# KiCad board AMC_FMC_Carrier-PcbDoc.kicad_pcb (continued)
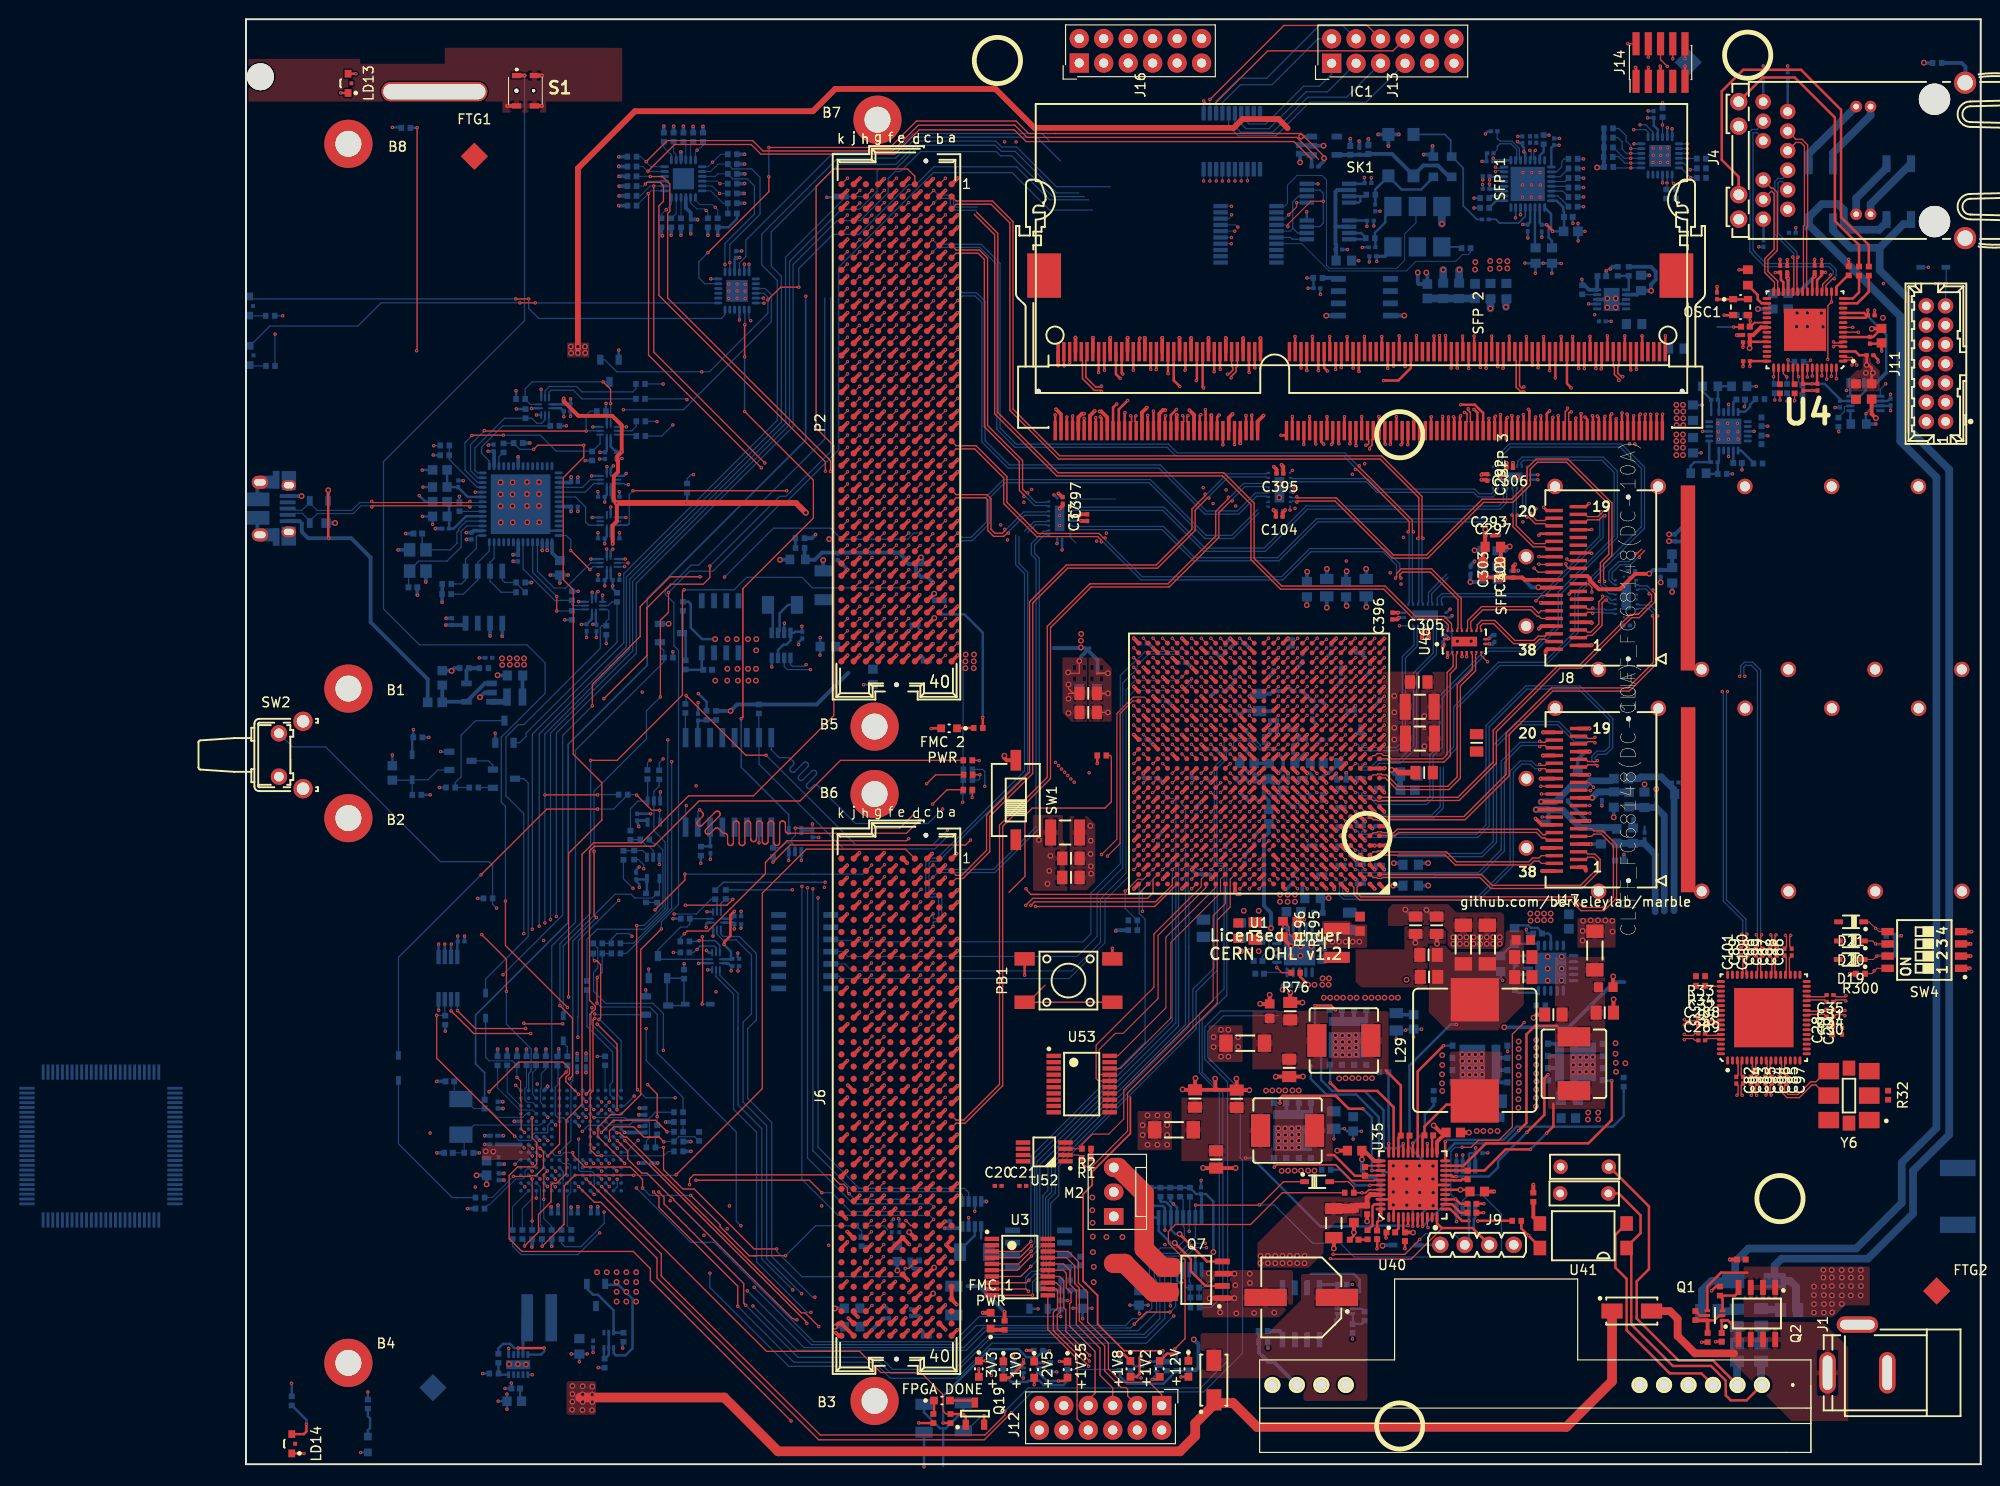
[diagram p0: board, top side]
## Routing (per net, layer and track width the routed paths; a pad name or vN(x,y) marks a point on that pad's centre or on a via; arc(x,y) is an arc through that point) (continued)
FMC2_HB12_P: length 0.9
  Top w0.112: P2.F31 v1(67.5,95.41)
FMC2_HB13_N: length 0.9
  Top w0.112: P2.E31 v1(68.77,95.41)
FMC2_HB13_P: length 0.9
  Top w0.112: P2.E30 v1(68.77,96.68)
FMC2_HB15_N: length 0.9
  Top w0.112: P2.J34 v1(63.69,91.6)
FMC2_HB15_P: length 0.9
  Top w0.112: P2.J33 v1(63.69,92.87)
FMC2_HB16_N: length 0.9
  Top w0.112: P2.F35 v1(67.5,90.33)
FMC2_HB16_P: length 0.9
  Top w0.112: P2.F34 v1(67.5,91.6)
FMC2_HB17_CC_N: length 0.9
  Top w0.112: P2.K38 v1(62.42,86.52)
FMC2_HB17_CC_P: length 0.9
  Top w0.112: P2.K37 v1(62.42,87.79)
FMC2_HB18_N: length 0.9
  Top w0.112: P2.J37 v1(63.69,87.79)
FMC2_HB18_P: length 0.9
  Top w0.112: P2.J36 v1(63.69,89.06)
FMC2_HB19_N: length 0.9
  Top w0.112: P2.E34 v1(68.77,91.6)
FMC2_HB19_P: length 0.9
  Top w0.112: P2.E33 v1(68.77,92.87)
FMC2_HB20_N: length 0.9
  Top w0.112: P2.F38 v1(67.5,86.52)
FMC2_HB20_P: length 0.9
  Top w0.112: P2.F37 v1(67.5,87.79)
FMC2_HB21_N: length 0.9
  Top w0.112: P2.E37 v1(68.77,87.79)
FMC2_HB21_P: length 0.9
  Top w0.112: P2.E36 v1(68.77,89.06)
FMC2_LA_0_N: length 56.9
  Top w0.11: U1.AA22 v1(96.12,80.73)
  Top w0.112: P2.G7 v1(66.23,125.89)
  In2.Cu w0.1: v1(96.12,80.73) 96.47,80.38 97.29,80.38 97.47,80.56 97.47,87.26 92.07,92.67 ; 92.07,109.77 93.21,110.91 93.21,113.71 92.05,114.87 92.05,119.11 84.78,126.38 66.72,126.38 v1(66.23,125.89)
FMC2_LA_0_P: length 58.1
  Top w0.11: U1.Y22 v1(96.12,79.73)
  Top w0.112: P2.G6 v1(66.23,127.16)
  In2.Cu w0.1: v1(96.12,79.73) 96.47,80.09 97.41,80.09 97.76,80.44 97.76,87.38 92.36,92.79 ; v1(66.23,127.16) 66.72,126.67 84.9,126.67 92.34,119.23 92.34,114.99 93.5,113.83 93.5,110.79 92.36,109.65
FMC2_LA_1_N: length 67.6
  Top w0.11: U1.AB24 v1(94.12,81.73)
  Top w0.112: P2.D9 v1(70.04,123.35)
  In2.Cu w0.1: v1(70.04,123.35) 70.53,123.84 84.97,123.84 90.46,118.35 90.46,115.51 89.57,114.62 89.57,110.53 89.02,109.98 89.02,109.29 90.87,107.44 90.87,92.43 96.47,86.82 96.47,81.55 96.29,81.37 94.48,81.37 v1(94.12,81.73)
FMC2_LA_1_P: length 68.1
  Top w0.11: U1.AA23 v1(95.12,80.73)
  Top w0.112: P2.D8 v1(70.04,124.62)
  In2.Cu w0.1: v1(95.12,80.73) 94.91,80.94 94.91,81.05 94.94,81.08 96.41,81.08 96.76,81.43 96.76,86.94 91.16,92.55 91.16,107.92 89.25,109.83 89.25,109.87 89.86,110.48 89.86,114.5 90.75,115.39 90.75,118.47 85.09,124.13 70.53,124.13 v1(70.04,124.62)
FMC2_LA_2_N: length 66.2
  Top w0.11: U1.AF22 v1(96.12,85.73)
  Top w0.112: v1(64.95,124.63) 64.32,124 P2.H8
  In2.Cu w0.1: v1(64.95,124.63) 64.95,124.88 64.72,125.11 64.68,125.11 64.43,124.86 64.43,124.23 64.58,124.07 69.22,124.07 69.52,123.77 69.52,123.14 69.78,122.88 82.92,122.88 87.07,118.72 87.07,110.33 87.69,109.71 87.69,108.61 90.07,106.22 90.07,96.85 90.26,96.66 90.26,95.63 90.07,95.44 90.07,92.28 95.76,86.58 95.76,85.56 95.95,85.38 96.07,85.38 96.12,85.42 v1(96.12,85.73)
FMC2_LA_2_P: length 66.9
  Top w0.11: U1.AE22 v1(96.12,84.73)
  Top w0.112: P2.H7 v1(64.96,125.89)
  In2.Cu w0.1: v1(64.96,125.89) 64.14,125.07 64.14,124.11 64.46,123.78 69.1,123.78 69.23,123.65 69.23,123.02 69.66,122.59 82.8,122.59 86.78,118.6 86.78,110.29 87.4,109.67 87.4,108.48 89.78,106.1 89.78,96.73 89.97,96.54 89.97,95.75 89.78,95.56 89.78,92.16 95.47,86.46 95.47,85.38 v1(96.12,84.73)
FMC2_LA_3_N: length 63.5
  Top w0.11: U1.AC24 v1(94.12,82.73)
  Top w0.112: P2.G10 v1(66.23,122.08)
  In2.Cu w0.1: v1(94.12,82.73) 94.42,82.73 94.47,82.78 94.47,82.88 94.27,83.09 90.52,83.09 87.9,85.71 87.9,90.81 87.26,91.44 87.26,93.91 86.76,94.41 86.76,96.55 87.55,97.33 87.55,103 84.97,105.58 84.97,107.75 84.43,108.28 84.43,109.34 84.73,109.64 84.73,112.31 82.92,114.12 82.92,116.19 79.13,119.97 70.99,119.97 70.51,120.45 70.51,121.04 70.2,121.35 68.23,121.35 67.95,121.64 67.95,122.29 67.67,122.57 66.72,122.57 v1(66.23,122.08)
FMC2_LA_3_P: length 64
  Top w0.11: U1.AC23 v1(95.12,82.73)
  Top w0.112: P2.G9 v1(66.23,123.35)
  In2.Cu w0.1: v1(95.12,82.73) 94.82,82.73 94.76,82.78 94.76,83 94.39,83.38 90.64,83.38 88.19,85.83 88.19,90.93 87.55,91.56 87.55,94.03 87.05,94.53 87.05,96.43 87.84,97.21 87.84,103.12 85.26,105.7 85.26,107.87 84.72,108.4 84.72,109.22 85.02,109.52 85.02,112.43 83.21,114.24 83.21,116.31 79.25,120.26 71.11,120.26 70.81,120.57 70.81,121.16 70.32,121.64 68.35,121.64 68.24,121.76 68.24,122.41 67.79,122.86 66.72,122.86 v1(66.23,123.35)
FMC2_LA_4_N: length 73
  Top w0.11: v1(97.12,78.73) 97.12,78.73 U1.W21
  Top w0.112: v1(64.95,120.78) 64.34,120.17 P2.H11
  In9.Cu w0.1: v1(97.12,78.73) 96.76,78.38 95.97,78.38 95.76,78.58 95.76,87.51 87.45,95.82 87.45,103.38 86.48,104.35 86.48,109.3 85.18,110.59 85.18,112.23 83.83,113.58 83.83,117.45 77.1,124.18 64.81,124.18 64.16,123.53 64.16,121.67 64.57,121.26 64.86,121.26 64.95,121.17 v1(64.95,120.78)
FMC2_LA_4_P: length 72
  Top w0.11: U1.V21 97.12,77.73 v1(97.12,77.73)
  Top w0.112: v1(64.95,122.03) 64.36,121.44 P2.H10
  In9.Cu w0.1: v1(64.95,122.03) 64.95,121.65 64.85,121.55 64.69,121.55 64.45,121.79 64.45,123.4 64.93,123.89 76.98,123.89 83.54,117.33 83.54,113.46 84.89,112.11 84.89,110.47 86.19,109.18 86.19,104.23 87.16,103.26 87.16,95.7 95.47,87.39 95.47,78.46 95.85,78.09 96.76,78.09 v1(97.12,77.73)
FMC2_LA_5_N: length 59.7
  Top w0.11: 92.61,82.24 92.6,82.24 v1(92.11,82.73)
  Top w0.112: v1(70.04,119.54) P2.D12 69.4,118.93
  In9.Cu w0.1: v1(70.04,119.54) 70.53,120.03 79.03,120.03 82.26,116.79 82.26,113.36 83.66,111.96 83.66,110.08 83.16,109.59 83.16,103.78 84.98,101.96 84.98,95.23 85.36,94.85 85.36,88.86 87.17,87.05 92.68,87.05 93.48,86.25 93.48,82.5 93.35,82.38 92.19,82.38 92.11,82.45 v1(92.11,82.73)
FMC2_LA_5_P: length 60.6
  Top w0.11: 92.61,81.23 v1(92.11,81.73)
  Top w0.112: P2.D11 v1(70.04,120.81)
  In9.Cu w0.1: v1(92.11,81.73) 92.11,82.01 92.19,82.09 93.47,82.09 93.77,82.38 93.77,86.37 92.8,87.34 87.29,87.34 85.65,88.98 85.65,94.97 85.27,95.35 85.27,102.08 83.45,103.9 83.45,109.47 83.95,109.96 83.95,112.08 82.55,113.48 82.55,116.91 79.15,120.32 70.53,120.32 v1(70.04,120.81)
FMC2_LA_6_N: length 56.1
  Top w0.11: U1.AD24 v1(94.12,83.73)
  Top w0.112: 70.7,120.15 v1(71.33,120.78)
  In2.Cu w0.1: v1(94.12,83.73) 94.47,84.09 94.47,86 88.48,91.99 88.48,94.4 87.64,95.24 87.64,96.27 88.48,97.12 88.48,105.24 86.21,107.51 86.21,109.09 85.37,109.93 85.37,112.71 85.85,113.19 85.85,115.72 84.05,117.52 84.05,118.72 81.5,121.27 71.82,121.27 v1(71.33,120.78)
FMC2_LA_6_P: length 56.6
  Top w0.11: U1.AD23 v1(95.12,83.73)
  Top w0.112: 70.7,121.42 v1(71.33,122.05)
  In2.Cu w0.1: v1(71.33,122.05) 71.82,121.56 81.62,121.56 84.34,118.84 84.34,117.64 86.14,115.84 86.14,113.07 85.66,112.59 85.66,110.05 86.5,109.21 86.5,107.63 88.77,105.36 88.77,96.97 88.75,96.97 87.93,96.15 87.93,95.36 88.77,94.52 88.77,92.11 94.76,86.12 94.76,84.09 v1(95.12,83.73)
FMC2_LA_7_N: length 57.9
  Top w0.11: U1.AC22 v1(96.12,82.73)
  Top w0.112: P2.H14 v1(64.96,117)
  In2.Cu w0.1: 74.32,116.22 67.14,116.22 66.7,116.65 66.7,117.17 66.41,117.46 65.43,117.46 v1(64.96,117) ; 79.89,114.06 81.77,114.06 84.05,111.78 84.05,110.65 83.22,109.81 83.22,105.34 86.23,102.32 86.23,98.74 86.06,98.56 86.06,98.22 86.23,98.04 86.23,91.76 85.52,91.05 85.52,84.78 86.08,84.22 88.56,84.22 90.41,82.38 95.76,82.38 v1(96.12,82.73)
FMC2_LA_7_P: length 57.9
  Top w0.11: U1.AB22 v1(96.12,81.73)
  Top w0.112: P2.H13 64.35,117.63 v1(64.95,118.23)
  In2.Cu w0.1: 79.89,113.77 81.65,113.77 83.76,111.66 83.76,110.77 82.93,109.93 82.93,105.22 85.94,102.2 85.94,98.86 85.77,98.68 85.77,98.1 85.94,97.92 85.94,91.88 85.23,91.17 85.23,84.66 85.96,83.93 88.44,83.93 90.29,82.09 95.76,82.09 v1(96.12,81.73) ; v1(64.95,118.23) 65.43,117.75 66.53,117.75 67,117.29 67,116.77 67.26,116.51 74.32,116.51
FMC2_LA_8_N: length 11.4
  Top w0.11: 92.61,84.25 v1(92.11,84.75)
  Top w0.112: P2.G13 v1(66.23,118.27)
  In2.Cu w0.1: v1(66.23,118.27) 66.72,118.76 74.69,118.76 ; 92.98,84.39 92.2,84.39 92.11,84.48 v1(92.11,84.75)
FMC2_LA_8_P: length 11.4
  Top w0.11: 92.61,83.23 v1(92.11,83.73)
  Top w0.112: P2.G12 v1(66.23,119.54)
  In2.Cu w0.1: v1(66.23,119.54) 66.72,119.05 74.56,119.05 ; v1(92.11,83.73) 92.11,84.01 92.2,84.1 93.1,84.1
FMC2_LA_9_N: length 57
  Top w0.11: 92.61,77.24 v1(92.11,77.74)
  Top w0.112: P2.D15 v1(70.04,115.73)
  In9.Cu w0.1: v1(92.11,77.74) 91.75,77.38 89.21,77.38 86.19,80.4 85.14,80.4 80.25,85.28 80.25,97.93 78.6,99.58 78.6,112.77 76.14,115.23 69.69,115.23 69.47,115.44 69.47,116.14 69.55,116.22 69.94,116.22 70.04,116.12 v1(70.04,115.73)
FMC2_LA_9_P: length 58
  Top w0.11: 92.61,76.22 92.61,76.23 v1(92.11,76.73)
  Top w0.112: P2.D14 v1(70.04,117)
  In9.Cu w0.1: v1(70.04,117) 70.04,116.62 69.92,116.51 69.43,116.51 69.18,116.26 69.18,115.32 69.57,114.94 76.02,114.94 78.31,112.65 78.31,99.46 79.96,97.81 79.96,85.16 85.02,80.11 86.07,80.11 89.09,77.09 91.75,77.09 v1(92.11,76.73)
FMC2_LA_10_N: length 47.5
  Top w0.11: U1.AF23 v1(95.12,85.73)
  Top w0.112: P2.C15 v1(71.31,115.73)
  In4.Cu w0.1: v1(95.12,85.73) 94.76,85.38 93.99,85.38 93.76,85.6 93.76,86.04 93.76,90.34 89.16,94.94 89.15,94.93 88.36,94.93 87.93,95.36 87.93,96.17 86.52,97.58 86.47,97.58 86.28,97.76 86.28,97.81 85.98,98.11 85.98,101.91 82.69,105.21 82.69,107.9 75.3,115.29 70.75,115.29 70.71,115.33 70.71,116.09 70.83,116.22 71.25,116.22 71.31,116.16 v1(71.31,115.73)
FMC2_LA_10_P: length 48.5
  Top w0.11: U1.AE23 v1(95.12,84.73)
  Top w0.112: P2.C14 v1(71.31,117)
  In4.Cu w0.1: v1(95.12,84.73) 94.76,85.09 93.87,85.09 93.47,85.48 93.47,85.58 93.47,85.58 93.47,85.92 93.47,90.22 89.05,94.64 88.24,94.64 87.64,95.24 87.64,96.05 86.4,97.29 86.35,97.29 85.99,97.64 85.99,97.69 85.69,97.99 85.69,101.79 82.4,105.09 82.4,107.78 75.18,115 70.63,115 70.42,115.21 70.42,116.21 70.71,116.51 71.24,116.51 71.31,116.57 v1(71.31,117)
FMC2_LA_11_N: length 62.3
  Top w0.11: v1(94.12,78.73) 94.12,78.73 U1.W24
  Top w0.112: P2.H17 v1(64.96,113.19)
  In2.Cu w0.1: v1(94.12,78.73) 94.47,79.09 94.47,79.93 94.34,80.06 94.31,80.06 94.29,80.08 93.55,80.08 92.64,79.17 87.63,79.17 86.7,80.1 83.98,80.1 82.71,81.37 82.71,102.03 80.6,104.15 80.6,108.89 75.81,113.68 65.45,113.68 v1(64.96,113.19)
FMC2_LA_11_P: length 62.8
  Top w0.11: v1(95.12,78.73) 95.12,78.73 U1.W23
  Top w0.112: P2.H16 v1(64.96,114.46)
  In2.Cu w0.1: v1(64.96,114.46) 65.45,113.97 75.93,113.97 80.89,109.01 80.89,104.27 83,102.15 83,81.49 84.1,80.39 86.82,80.39 87.75,79.46 92.52,79.46 93.43,80.37 94.41,80.37 94.43,80.35 94.46,80.35 94.76,80.05 94.76,79.09 v1(95.12,78.73)
FMC2_LA_12_N: length 53.5
  Top w0.11: U1.AB25 v1(93.12,81.73)
  Top w0.112: P2.G16 v1(66.23,114.46)
  In2.Cu w0.1: v1(66.23,114.46) 66.72,114.95 74.2,114.95 ; 78.58,112.92 82.07,109.43 82.07,104.82 85.37,101.51 85.37,93.07 84.04,91.73 84.04,82.33 84.65,81.72 86.51,81.72 86.85,81.38 93,81.38 93.12,81.49 v1(93.12,81.73)
FMC2_LA_12_P: length 53.6
  Top w0.11: U1.AA25 v1(93.12,80.73)
  Top w0.112: P2.G15 v1(66.23,115.73)
  In2.Cu w0.1: v1(93.12,80.73) 93.12,80.97 93,81.09 86.73,81.09 86.39,81.43 84.53,81.43 83.75,82.21 83.75,91.85 85.08,93.19 85.08,101.39 81.78,104.7 81.78,109.31 78.37,112.72 ; v1(66.23,115.73) 66.72,115.24 74.08,115.24
FMC2_LA_13_N: length 57.2
  Top w0.11: v1(94.12,77.74) 94.12,77.73 U1.V24
  Top w0.112: P2.D18 v1(70.04,111.92)
  In2.Cu w0.1: v1(70.04,111.92) 70.53,112.41 75.77,112.41 79.67,108.51 79.67,103.59 81.94,101.33 81.94,101.25 81.94,101.24 81.94,100.45 81.94,100.44 81.94,99.11 81.6,98.78 81.6,80.77 83.75,78.63 86.52,78.63 87.93,77.21 89.99,77.21 90.87,78.09 94.32,78.09 94.47,77.94 94.47,77.8 94.42,77.74 v1(94.12,77.74)
FMC2_LA_13_P: length 57.6
  Top w0.11: U1.V23 95.12,77.73 v1(95.12,77.74)
  Top w0.112: P2.D17 v1(70.04,113.19)
  In2.Cu w0.1: v1(95.12,77.74) 94.83,77.74 94.76,77.8 94.76,78.06 94.44,78.38 90.75,78.38 89.87,77.5 88.05,77.5 86.64,78.92 83.87,78.92 81.89,80.89 81.89,98.66 82.23,98.99 82.23,100.32 82.23,100.33 82.23,101.36 82.23,101.37 82.23,101.45 79.96,103.71 79.96,108.63 75.89,112.7 70.53,112.7 v1(70.04,113.19)
FMC2_LA_14_N: length 54.5
  Top w0.11: U1.U25 v1(93.12,76.73)
  Top w0.112: P2.C19 v1(71.31,110.65)
  In2.Cu w0.1: v1(71.31,110.65) 71.8,111.14 75.35,111.14 78.61,107.88 78.61,100.09 79.98,98.71 79.98,87.96 80.43,87.52 80.43,79.98 83.47,76.93 85.47,76.93 85.99,76.42 90.64,76.42 91.31,77.08 93.33,77.08 93.47,76.93 93.47,76.81 93.4,76.73 v1(93.12,76.73)
FMC2_LA_14_P: length 55
  Top w0.11: U1.U24 v1(94.12,76.73)
  Top w0.112: P2.C18 v1(71.31,111.92)
  In2.Cu w0.1: v1(71.31,111.92) 71.8,111.43 75.47,111.43 78.9,108 78.9,100.21 80.27,98.83 80.27,88.08 80.72,87.64 80.72,80.1 83.59,77.22 85.59,77.22 86.11,76.71 90.52,76.71 91.19,77.37 93.45,77.37 93.76,77.05 93.76,76.79 93.83,76.73 v1(94.12,76.73)
FMC2_LA_15_N: length 61.1
  Top w0.11: U1.V22 v1(96.12,77.73)
  Top w0.112: P2.H20 v1(64.96,109.38)
  In2.Cu w0.1: 74.59,109.87 65.45,109.87 v1(64.96,109.38) ; 76.76,108.71 77.64,107.83 77.64,88.83 79.7,86.77 79.7,79.5 83.6,75.59 90.86,75.59 91.64,76.38 94.29,76.38 94.47,76.56 94.47,77 94.84,77.38 95.76,77.38 v1(96.12,77.73)
FMC2_LA_15_P: length 61.4
  Top w0.11: U1.U22 v1(96.12,76.73)
  Top w0.112: P2.H19 v1(64.96,110.65)
  In2.Cu w0.1: v1(64.96,110.65) 65.45,110.16 74.71,110.16 ; 76.55,108.51 77.35,107.71 77.35,88.71 79.41,86.65 79.41,79.38 83.48,75.3 90.98,75.3 91.76,76.09 94.41,76.09 94.76,76.44 94.76,76.88 94.97,77.09 95.76,77.09 v1(96.12,76.73)
FMC2_LA_16_N: length 52.4
  Top w0.11: 92.61,78.23 92.61,78.23 v1(92.11,78.73)
  Top w0.112: P2.G19 v1(66.23,110.65)
  In4.Cu w0.1: v1(92.11,78.73) 92.38,78.73 92.47,78.82 92.47,79.11 92.39,79.2 88.48,79.2 87.9,79.77 87.9,89.44 80.6,96.75 80.6,97.82 79.03,99.39 79.03,106.35 74.24,111.14 66.72,111.14 v1(66.23,110.65)
FMC2_LA_16_P: length 52.9
  Top w0.11: 93.61,78.23 93.61,78.23 v1(93.11,78.73)
  Top w0.112: P2.G18 v1(66.23,111.92)
  In4.Cu w0.1: v1(66.23,111.92) 66.72,111.43 74.36,111.43 79.32,106.47 79.32,99.51 80.89,97.94 80.89,96.87 88.19,89.56 88.19,79.89 88.6,79.49 92.51,79.49 92.76,79.24 92.76,78.82 92.84,78.73 v1(93.11,78.73)
FMC2_LA_17_N: length 64
  Top w0.11: U1.F23 v1(95.12,64.73)
  Top w0.112: P2.D21 v1(70.04,108.11)
  In4.Cu w0.1: v1(95.12,64.73) 95.34,64.95 95.34,65.04 95.3,65.08 94.82,65.08 94.47,65.44 94.47,65.89 94.27,66.08 93.31,66.08 91.6,66.09 90.35,67.34 90.35,73.52 87.8,76.07 81.62,76.07 81.12,76.57 81.12,88.91 75.53,94.49 75.53,107 73.94,108.6 70.53,108.6 v1(70.04,108.11)
FMC2_LA_17_P: length 64.5
  Top w0.11: U1.G22 v1(96.12,65.73)
  Top w0.112: P2.D20 v1(70.04,109.38)
  In4.Cu w0.1: v1(96.12,65.73) 95.76,65.37 94.94,65.37 94.76,65.56 94.76,66.01 94.39,66.37 93.43,66.37 91.72,66.38 90.64,67.46 90.64,73.64 87.92,76.36 81.74,76.36 81.41,76.69 81.41,89.03 75.82,94.61 75.82,107.12 74.06,108.89 70.53,108.89 v1(70.04,109.38)
FMC2_LA_18_N: length 59.4
  Top w0.11: U1.F24 v1(94.12,64.73)
  Top w0.112: P2.C23 v1(71.31,105.57)
  In4.Cu w0.1: v1(94.12,64.73) 93.76,65.09 90.85,65.09 89.15,66.78 89.15,72.94 87.32,74.78 81.11,74.78 79.84,76.05 79.84,87.01 74.4,92.45 74.4,105.5 73.85,106.06 71.8,106.06 v1(71.31,105.57)
FMC2_LA_18_P: length 59.4
  Top w0.11: v1(94.12,65.73) 94.12,65.73 U1.G24
  Top w0.112: P2.C22 v1(71.31,106.84)
  In4.Cu w0.1: v1(71.31,106.84) 71.8,106.35 73.97,106.35 74.69,105.62 74.69,92.57 80.13,87.13 80.13,76.17 81.23,75.07 87.44,75.07 89.44,73.06 89.44,66.9 90.97,65.38 93.76,65.38 v1(94.12,65.73)
FMC2_LA_19_N: length 64.5
  Top w0.11: U1.J23 v1(95.12,67.73)
  Top w0.112: P2.H23 v1(64.96,105.57)
  In2.Cu w0.1: v1(95.12,67.73) 94.76,68.09 85.25,68.09 78.87,74.47 78.11,74.47 75.41,77.17 75.41,79.57 76.25,80.41 76.25,84.6 74.39,86.46 74.39,105.44 73.77,106.06 65.45,106.06 v1(64.96,105.57)
FMC2_LA_19_P: length 64.5
  Top w0.11: U1.K23 v1(95.12,68.73)
  Top w0.112: P2.H22 v1(64.96,106.84)
  In2.Cu w0.1: v1(64.96,106.84) 65.45,106.35 73.89,106.35 74.68,105.56 74.68,86.58 76.54,84.72 76.54,80.29 75.7,79.45 75.7,77.29 78.23,74.76 78.99,74.76 85.37,68.38 94.76,68.38 v1(95.12,68.73)
FMC2_LA_20_N: length 63.1
  Top w0.11: U1.K22 96.12,68.73 v1(96.12,68.73)
  Top w0.112: P2.G22 v1(66.23,106.84)
  In2.Cu w0.1: v1(66.23,106.84) 66.72,107.33 74.11,107.33 75.31,106.13 75.31,87.32 77.33,85.29 77.33,77.82 86.06,69.09 95.76,69.09 v1(96.12,68.73)
FMC2_LA_20_P: length 63.1
  Top w0.11: U1.L22 96.12,69.73 v1(96.12,69.73)
  Top w0.112: P2.G21 v1(66.23,108.11)
  In2.Cu w0.1: v1(66.23,108.11) 66.72,107.62 74.23,107.62 75.6,106.25 75.6,87.44 77.62,85.41 77.62,77.94 86.18,69.38 95.76,69.38 v1(96.12,69.73)
FMC2_LA_21_N: length 62
  Top w0.11: U1.H22 v1(96.12,66.73)
  Top w0.112: P2.H26 v1(64.96,101.76)
  In7.Cu w0.1: v1(64.96,101.76) 65.45,102.25 73.85,102.25 77.41,98.69 77.41,88.12 79.23,86.31 79.23,77.41 81.45,75.19 81.45,74.23 85.59,70.09 93.77,70.09 93.79,70.07 94.37,70.07 94.38,70.09 96.28,70.09 96.47,69.89 96.47,67.08 v1(96.12,66.73)
FMC2_LA_21_P: length 61.9
  Top w0.11: U1.J21 v1(97.12,67.73)
  Top w0.112: P2.H25 v1(64.96,103.03)
  In7.Cu w0.1: v1(97.12,67.73) 96.91,67.52 96.85,67.52 96.76,67.61 96.76,70.01 96.4,70.38 94.26,70.38 94.25,70.36 93.91,70.36 93.89,70.38 85.71,70.38 81.74,74.35 81.74,75.31 79.52,77.53 79.52,86.43 77.7,88.24 77.7,98.81 73.97,102.54 65.45,102.54 v1(64.96,103.03)
FMC2_LA_22_N: length 65.3
  Top w0.11: U1.D25 v1(93.12,62.73)
  Top w0.112: P2.G25 v1(66.23,103.03)
  In2.Cu w0.1: v1(93.12,62.73) 92.76,63.09 90.73,63.09 88.07,60.43 84.58,60.43 84.24,60.76 82.52,60.76 79.16,64.13 79.16,64.47 73.54,70.09 72.94,70.09 70.43,72.59 70.43,82.34 69.27,83.51 69.27,84.32 69.06,84.53 67.11,84.53 66.77,84.87 66.77,103.46 66.71,103.52 66.33,103.52 66.23,103.41 v1(66.23,103.03)
FMC2_LA_22_P: length 65.3
  Top w0.11: U1.E25 v1(93.12,63.73)
  Top w0.112: P2.G24 v1(66.23,104.3)
  In2.Cu w0.1: v1(93.12,63.73) 92.76,63.38 90.61,63.38 87.95,60.72 84.7,60.72 84.36,61.05 82.64,61.05 79.45,64.25 79.45,64.59 73.66,70.38 73.06,70.38 70.72,72.71 70.72,82.46 69.56,83.63 69.56,84.44 69.18,84.82 67.23,84.82 67.06,84.99 67.06,103.58 66.83,103.81 66.33,103.81 66.23,103.9 v1(66.23,104.3)
FMC2_LA_23_N: length 58.3
  Top w0.11: U1.H24 v1(94.12,66.73)
  Top w0.112: P2.D24 v1(70.04,104.3)
  In2.Cu w0.1: v1(94.12,66.73) 94.46,66.73 94.49,66.76 94.49,66.86 94.27,67.08 83.44,67.08 73.95,76.58 73.95,78.85 73.4,79.4 73.4,83.34 73.07,83.66 73.07,104.45 72.74,104.79 70.53,104.79 v1(70.04,104.3)
FMC2_LA_23_P: length 58.7
  Top w0.11: U1.H23 v1(95.12,66.73)
  Top w0.112: P2.D23 v1(70.04,105.57)
  In2.Cu w0.1: v1(95.12,66.73) 94.79,66.73 94.72,66.8 94.72,67.05 94.39,67.37 83.56,67.37 74.24,76.7 74.24,78.97 73.69,79.52 73.69,83.46 73.36,83.78 73.36,104.57 72.86,105.08 70.53,105.08 v1(70.04,105.57)
FMC2_LA_24_N: length 55.1
  Top w0.11: U1.J25 v1(93.12,67.73)
  Top w0.112: P2.H29 v1(64.96,97.95)
  In7.Cu w0.1: v1(93.12,67.73) 93.41,67.73 93.47,67.79 93.47,67.9 93.29,68.09 84.38,68.09 79.34,73.13 79.34,74.2 77.1,76.44 77.1,84.98 75.44,86.65 75.44,96.98 73.99,98.44 65.45,98.44 v1(64.96,97.95)
FMC2_LA_24_P: length 55.6
  Top w0.11: U1.J24 v1(94.12,67.73)
  Top w0.112: P2.H28 v1(64.96,99.22)
  In7.Cu w0.1: v1(64.96,99.22) 65.45,98.73 74.11,98.73 75.73,97.1 75.73,86.77 77.39,85.1 77.39,76.56 79.63,74.32 79.63,73.25 84.5,68.38 93.41,68.38 93.76,68.02 93.76,67.79 93.83,67.73 v1(94.12,67.73)
FMC2_LA_25_N: length 66.7
  Top w0.11: U1.D24 v1(94.12,62.73)
  Top w0.112: P2.G28 v1(66.23,99.22)
  In2.Cu w0.1: v1(66.23,99.22) 66.23,99.6 66.12,99.71 65.87,99.71 65.71,99.55 65.71,83.5 66.51,82.71 68.9,82.71 69.45,82.16 69.45,70.57 70.1,69.92 72.08,69.92 82.89,59.11 87.67,59.11 89.94,61.37 94.38,61.37 94.47,61.47 94.47,62.38 v1(94.12,62.73)
FMC2_LA_25_P: length 68.2
  Top w0.11: U1.D23 v1(95.12,62.73)
  Top w0.112: P2.G27 v1(66.23,100.49)
  In2.Cu w0.1: v1(66.23,100.49) 66.23,100.1 66.12,100 65.75,100 65.42,99.67 65.42,83.38 66.39,82.42 68.78,82.42 69.16,82.04 69.16,70.45 69.98,69.63 71.96,69.63 82.77,58.82 87.79,58.82 90.06,61.08 94.5,61.08 94.76,61.35 94.76,62.38 v1(95.12,62.73)
FMC2_LA_26_N: length 55.1
  Top w0.11: 92.61,64.23 v1(92.13,63.74)
  Top w0.112: P2.D27 v1(70.04,100.49)
  In2.Cu w0.1: v1(70.04,100.49) 70.04,100.88 70.13,100.98 70.32,100.98 70.55,100.75 70.55,83.56 71.29,82.83 71.29,77.49 71.87,76.91 71.87,73.93 81.91,63.89 89.41,63.89 89.61,64.09 92.31,64.09 92.35,64.05 92.35,63.96 v1(92.13,63.74)
FMC2_LA_26_P: length 55.7
  Top w0.11: 93.62,65.24 93.62,65.21 v1(93.14,64.73)
  Top w0.112: P2.D26 v1(70.04,101.76)
  In2.Cu w0.1: v1(93.14,64.73) 92.78,64.38 89.49,64.38 89.29,64.18 82.03,64.18 72.16,74.05 72.16,77.03 71.58,77.61 71.58,82.95 70.84,83.68 70.84,100.87 70.44,101.27 70.15,101.27 70.04,101.37 v1(70.04,101.76)
FMC2_LA_27_N: length 57.7
  Top w0.11: U1.G21 v1(97.12,65.73)
  Top w0.112: P2.C27 v1(71.31,100.49)
  In2.Cu w0.1: v1(97.12,65.73) 96.76,66.09 89.89,66.09 89.24,65.43 83.17,65.43 76.47,72.12 75.61,72.12 73.02,74.71 73.02,77.72 72.29,78.45 72.29,83.12 71.78,83.62 71.78,87.5 71.9,87.62 71.9,90.59 71.78,90.71 71.78,100.83 71.64,100.98 71.41,100.98 71.31,100.87 v1(71.31,100.49)
FMC2_LA_27_P: length 57.7
  Top w0.11: U1.H21 v1(97.12,66.73)
  Top w0.112: P2.C26 v1(71.31,101.76)
  In2.Cu w0.1: v1(97.12,66.73) 96.76,66.38 89.77,66.38 89.12,65.72 83.29,65.72 76.59,72.41 75.73,72.41 73.31,74.83 73.31,77.84 72.58,78.57 72.58,83.24 72.07,83.74 72.07,87.38 72.19,87.5 72.19,90.71 72.07,90.83 72.07,100.95 71.76,101.27 71.42,101.27 71.31,101.38 v1(71.31,101.76)
FMC2_LA_28_N: length 53.1
  Top w0.11: v1(92.14,65.73) 92.64,66.23 92.64,66.24
  Top w0.112: P2.H32 v1(64.96,94.14)
  In7.Cu w0.1: v1(92.14,65.73) 92.4,65.73 92.49,65.82 92.49,65.92 92.33,66.08 89.03,66.08 88.41,65.46 84.03,65.46 77.32,72.17 75.94,72.17 73.71,74.41 73.71,81.12 73.07,81.76 73.07,93.07 72.82,93.31 67.19,93.31 66.76,93.74 66.76,94.21 66.35,94.63 65.45,94.63 v1(64.96,94.14)
FMC2_LA_28_P: length 53.6
  Top w0.11: 93.64,66.24 93.64,66.23 v1(93.14,65.73)
  Top w0.112: P2.H31 v1(64.96,95.41)
  In7.Cu w0.1: v1(64.96,95.41) 65.45,94.92 66.47,94.92 67.05,94.33 67.05,93.86 67.31,93.6 72.95,93.6 73.36,93.19 73.36,81.88 74,81.24 74,74.53 76.06,72.46 77.44,72.46 84.15,65.75 88.29,65.75 88.91,66.37 92.45,66.37 92.78,66.04 92.78,65.78 92.83,65.73 v1(93.14,65.73)
FMC2_LA_29_N: length 50.5
  Top w0.11: 92.62,67.21 92.61,67.21 v1(92.13,66.73)
  Top w0.112: P2.G31 v1(66.23,95.41)
  In7.Cu w0.1: v1(92.13,66.73) 91.77,67.08 83.85,67.08 75.74,75.19 75.74,80.98 76.14,81.38 76.14,84.54 74.56,86.12 74.56,92.99 74.12,93.43 73.61,93.43 73.16,93.88 73.16,94.4 72.87,94.69 68.26,94.69 67.89,95.06 67.89,95.62 67.62,95.9 66.72,95.9 v1(66.23,95.41)
FMC2_LA_29_P: length 50.5
  Top w0.11: 92.61,68.22 v1(92.13,67.73)
  Top w0.112: P2.G30 v1(66.23,96.68)
  In7.Cu w0.1: v1(66.23,96.68) 66.72,96.19 67.74,96.19 68.18,95.74 68.18,95.18 68.38,94.98 72.99,94.98 73.45,94.52 73.45,94 73.73,93.72 74.24,93.72 74.85,93.11 74.85,86.24 76.43,84.66 76.43,81.26 76.03,80.86 76.03,75.31 83.97,67.37 91.77,67.37 v1(92.13,67.73)
FMC2_LA_30_N: length 50.4
  Top w0.11: 92.62,62.21 92.6,62.21 v1(92.13,61.73)
  Top w0.112: P2.H35 v1(64.96,90.33)
  In7.Cu w0.1: v1(92.13,61.73) 91.77,62.08 88.53,62.08 88.05,62.56 86.01,62.56 85.68,62.23 82.89,62.23 71.54,73.59 71.54,77.72 70.59,78.68 70.59,90.08 69.85,90.82 65.45,90.82 v1(64.96,90.33)
FMC2_LA_30_P: length 50.4
  Top w0.11: 92.62,63.22 v1(92.13,62.73)
  Top w0.112: P2.H34 v1(64.96,91.6)
  In7.Cu w0.1: v1(64.96,91.6) 65.45,91.11 69.97,91.11 70.88,90.2 70.88,78.8 71.83,77.84 71.83,73.71 83.01,62.52 85.56,62.52 85.89,62.85 88.17,62.85 88.65,62.37 91.77,62.37 v1(92.13,62.73)
FMC2_LA_31_N: length 55.6
  Top w0.11: U1.E22 v1(96.12,63.73)
  Top w0.112: P2.G34 v1(66.23,91.6)
  In7.Cu w0.1: v1(96.12,63.73) 96.47,64.09 96.47,64.98 96.37,65.09 91.18,65.09 90,63.91 83.87,63.91 76.97,70.82 75.9,70.82 72.58,74.14 72.58,78.56 71.8,79.34 71.8,87.52 71.9,87.62 71.9,90.59 71.8,90.69 71.8,91.8 71.52,92.09 66.72,92.09 v1(66.23,91.6)
FMC2_LA_31_P: length 56.1
  Top w0.11: U1.E21 v1(97.12,63.73)
  Top w0.112: P2.G33 v1(66.23,92.87)
  In7.Cu w0.1: v1(97.12,63.73) 96.76,64.09 96.76,65.1 96.49,65.38 91.06,65.38 89.88,64.2 83.99,64.2 77.09,71.11 76.02,71.11 72.87,74.26 72.87,78.68 72.09,79.46 72.09,87.4 72.19,87.5 72.19,90.71 72.09,90.81 72.09,91.92 71.64,92.38 66.72,92.38 v1(66.23,92.87)
FMC2_LA_32_N: length 55.7
  Top w0.11: v1(98.12,59.74) 98.62,60.24 98.63,60.24
  Top w0.112: P2.H38 v1(64.96,86.52)
  In7.Cu w0.1: v1(98.12,59.74) 97.77,60.09 89.84,60.09 89.09,59.35 82.05,59.35 72.44,68.95 70.62,68.95 68.58,70.98 68.58,82.51 68.07,83.02 68.07,86.53 67.6,87.01 65.45,87.01 v1(64.96,86.52)
FMC2_LA_32_P: length 55.7
  Top w0.11: 98.63,61.24 98.62,61.24 v1(98.12,60.74)
  Top w0.112: P2.H37 v1(64.96,87.79)
  In2.Cu w0.079: v1(64.96,87.79) 64.95,87.78
  In7.Cu w0.1: v1(98.12,60.74) 97.77,60.38 94.95,60.38 94.95,60.38 89.72,60.38 88.97,59.64 82.17,59.64 72.56,69.24 70.74,69.24 68.87,71.1 68.87,82.63 68.36,83.14 68.36,86.65 67.72,87.3 65.45,87.3 v1(64.96,87.79)
FMC2_LA_33_N: length 52.9
  Top w0.11: v1(97.12,60.74) 97.13,60.74 U1.B21
  Top w0.112: 65.59,87.18 P2.G37 v1(66.23,87.79)
  In7.Cu w0.1: v1(66.23,87.79) 66.72,88.28 68.91,88.28 69.28,87.9 69.28,83.34 69.77,82.85 69.77,73.82 74.78,68.82 74.78,68.39 82.38,60.8 85.24,60.8 85.68,60.35 88.56,60.35 89.3,61.09 96.77,61.09 v1(97.12,60.74)
FMC2_LA_33_P: length 52.9